# Altium PCB LimeSDR_1v2.PcbDoc (part 3 of 9) (continued)
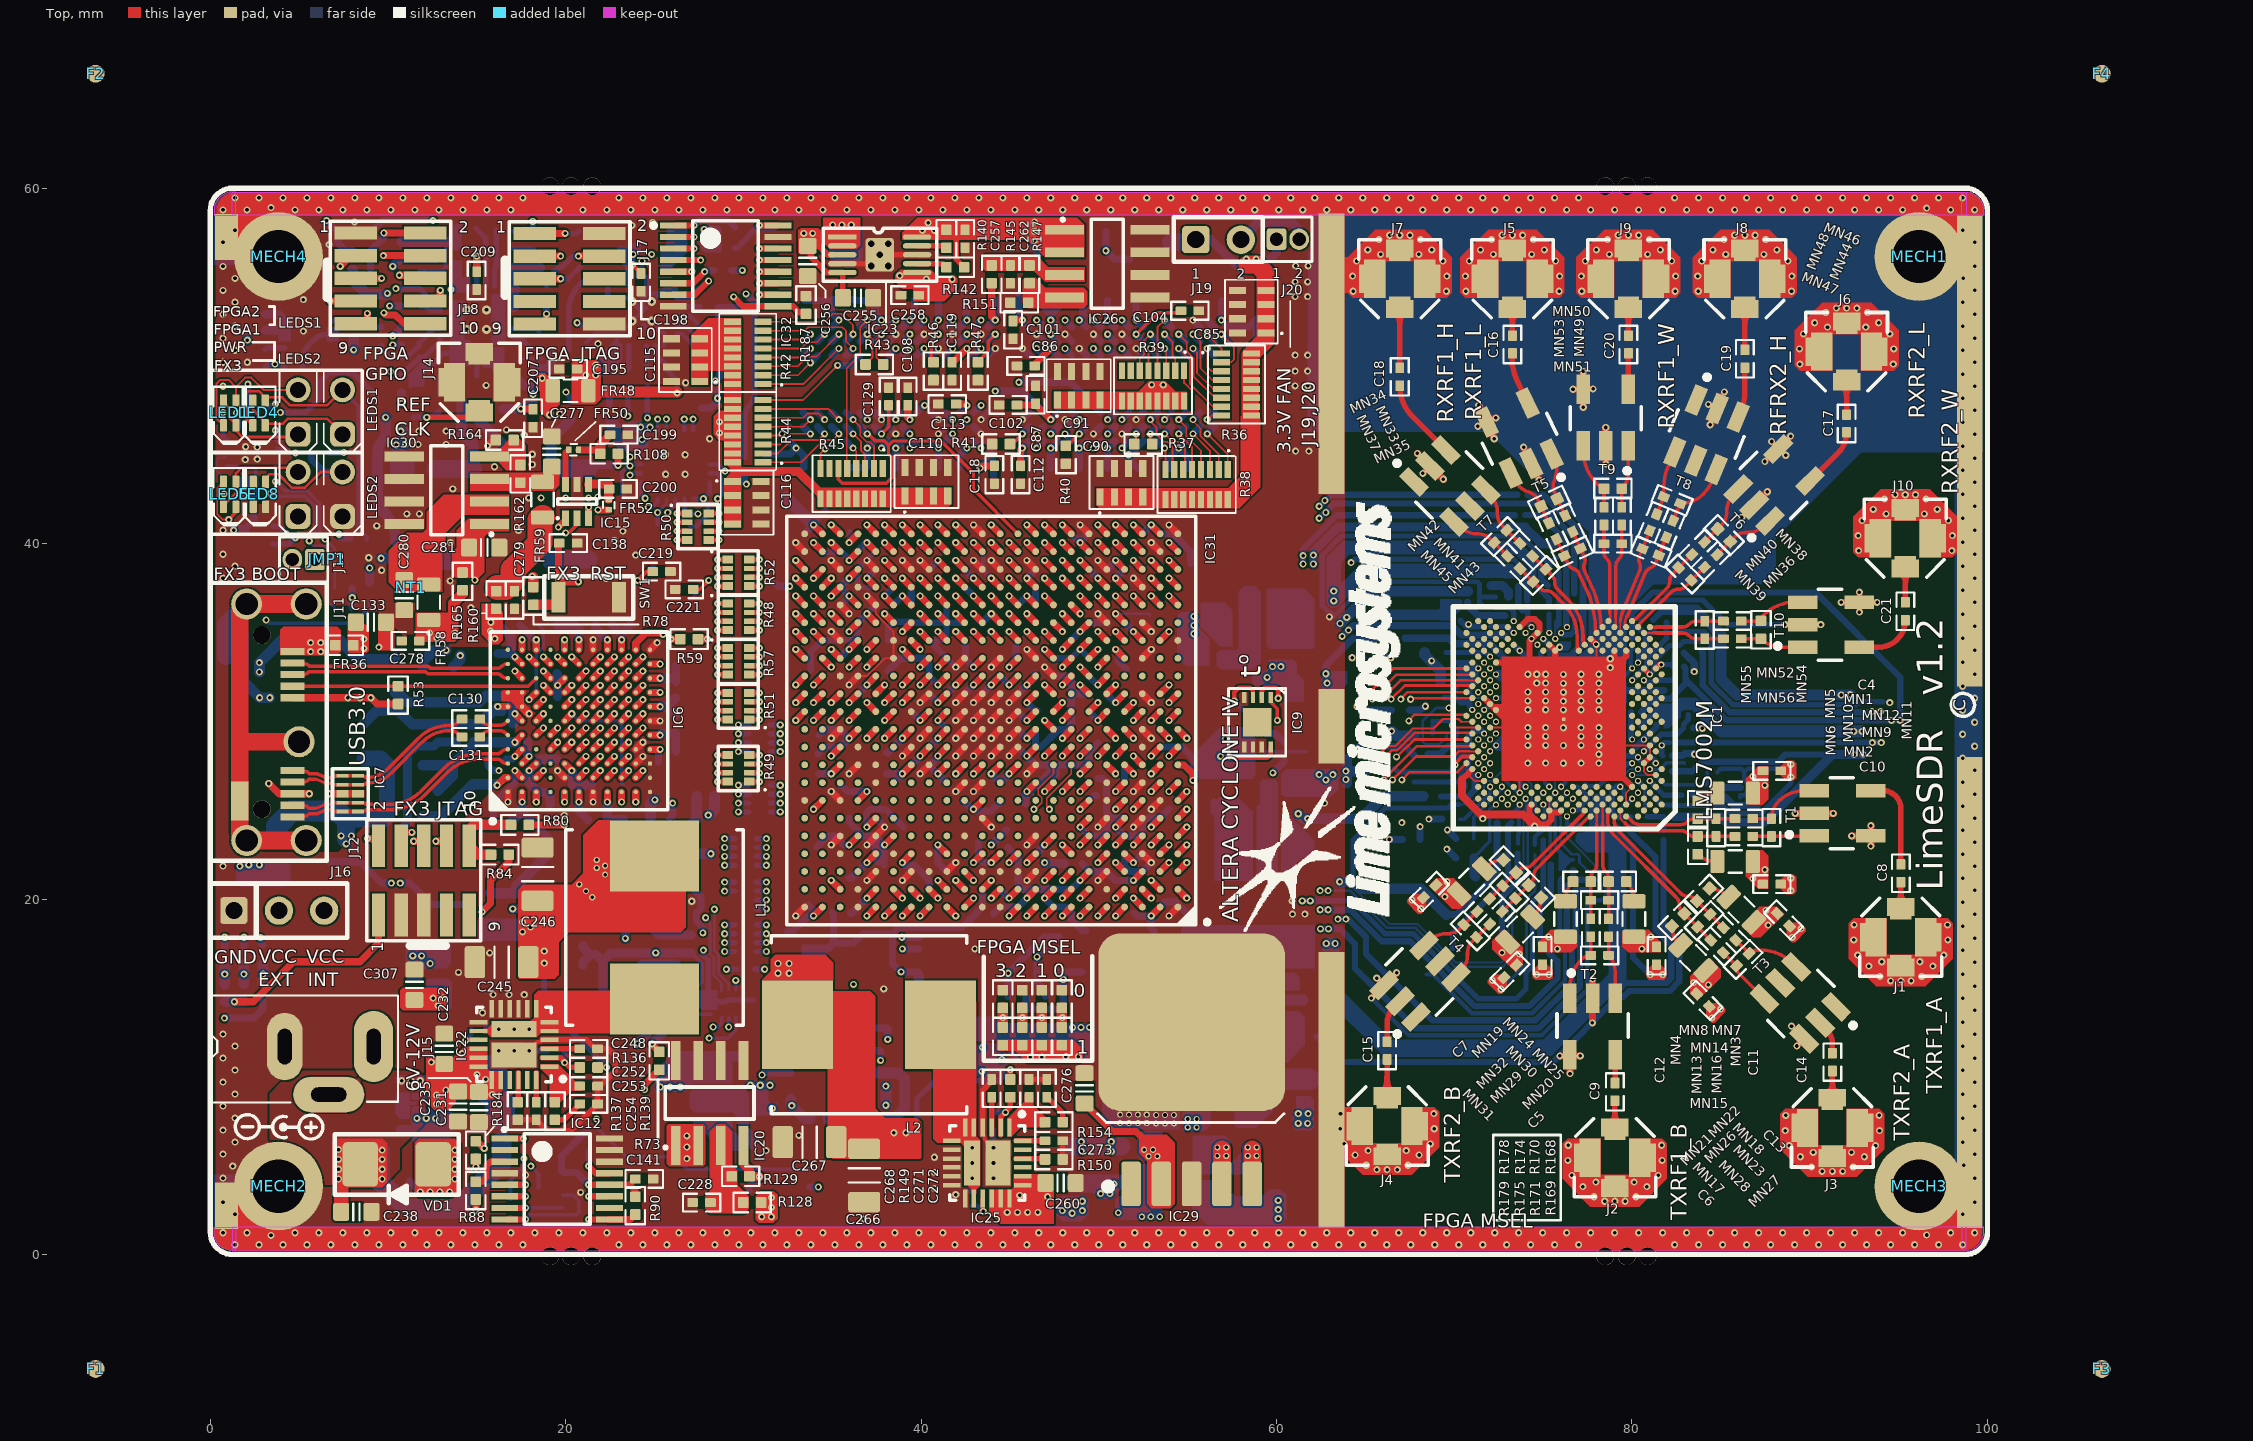
[diagram p0: Top view]
## Nets (pads, with @x,y where several pads share a name; then routed paths per layer and width w, separated by ;. In a path a pad name is that pad's centre, name@x,y a point inside that pad or via, vN(x,y) a via of type N, cw(c..) or ccw(c..) an arc to the next point about the centre after c; other vN are vias at no path point) (continued)
  L4 w0.1: v2(51.95,37.05) 52.375,37.475 54.092,37.475 58.75,42.133 58.75,52.266 57.491,53.525 55.134,53.525 54.45,52.841 54.45,52.503 54.072,52.125 53.555,52.125 53.35,51.92 53.35,51.325 v1(53.7,50.975)
  Bottom w0.4: v1(53.7,50.975) IC4.L3@54.1,50.575
DDR2_1_BA2: IC4.L1 IC31.V1 R39.4 | length 28
  Top w0.1: R39.4@53.3,49.725 53.3,52.175 v1(53.7,52.575)
  Top w0.4: v2(53.95,37.05) IC31.V1@54.45,36.55
  L4 w0.1: v1(53.7,52.575) 54.85,53.725 57.574,53.725 58.95,52.349 58.95,42.05 v2(53.95,37.05)
  Bottom w0.4: v1(53.7,52.575) IC4.L1@54.1,52.175
DDR2_1_CASN: IC4.L7 IC31.T4 R39.1 | length 19.1
  Top w0.1: v1(53.7,46.975) 54.05,47.325 55.1,47.325 55.25,47.475 55.25,48.592 54.8,49.042 R39.1@54.8,49.725
  Top w0.4: v2(50.95,35.05) IC31.T4@51.45,34.55
  L9 w0.1: v2(50.95,35.05) 51.445,35.05 53.4,37.005 53.4,44.867 53.1,45.167 53.1,45.85 53.25,46 53.25,46.525 v1(53.7,46.975)
  Bottom w0.4: v1(53.7,46.975) IC4.L7@54.1,47.375
DDR2_1_CKE: IC4.K2 IC31.R7 R39.6 | length 29.2
  Top w0.1: R39.6@52.3,49.725 52.3,50.4 52.55,50.65 52.55,51.425 v1(52.9,51.775)
  Top w0.4: v2(47.95,33.05) IC31.R7@48.45,33.55
  L9 w0.1: v2(47.95,33.05) 48.3,32.7 49.1,32.7 49.85,33.45 52.845,33.45 54.85,35.455 54.85,48.53 52.55,50.83 52.55,51.325 52.9,51.675 v1(52.9,51.775)
  Bottom w0.4: v1(52.9,51.775) IC4.K2@53.3,51.375
DDR2_1_CLK_N: IC4.K8 IC31.U8 R37.2 | length 16.9
  Top w0.1: v1(52.9,46.175) 52.9,45.725 R37.2@53.025,45.6
  Top w0.4: IC31.U8@47.45,35.55 v2(47.95,35.05)
  L9 w0.1: v2(47.95,35.05) 48.35,35.45 51.158,35.45 51.6,35.892 51.6,36.195 51.805,36.4 52.078,36.4 52.6,36.922 52.6,45.875 v1(52.9,46.175)
  Bottom w0.4: v1(52.9,46.175) IC4.K8@53.3,46.575
DDR2_1_CLK_P: IC4.J8 IC31.U7 R37.1 | length 16.5
  Top w0.1: R37.1@51.975,45.6 52.1,45.725 v1(52.1,46.175)
  Top w0.4: v2(47.95,36.05) IC31.U7@48.45,35.55
  L9 w0.1: v2(47.95,36.05) 48.35,35.65 51.075,35.65 51.4,35.975 51.4,36.278 51.722,36.6 51.995,36.6 52.4,37.005 52.4,45.875 v1(52.1,46.175)
  Bottom w0.4: v1(52.1,46.175) IC4.J8@52.5,46.575
DDR2_1_CSN: IC4.L8 IC31.R6 R38.6 | length 18.9
  Top w0.1: v1(53.7,46.175) 54.15,45.725 54.645,45.725 54.85,45.52 54.85,44.275 R38.6@54.75,44.175
  Top w0.4: IC31.R6@49.45,33.55 v2(49.95,34.05)
  L9 w0.1: v2(49.95,34.05) 50.4,34.5 51.895,34.5 53.6,36.205 53.6,44.95 53.3,45.25 53.3,45.767 53.7,46.167 v1(53.7,46.175)
  Bottom w0.4: v1(53.7,46.175) IC4.L8@54.1,46.575
DDR2_1_DM0: IC4.F3 IC31.AA7 | length 16.7
  Top w0.4: v2(47.95,40.05) IC31.AA7@48.45,39.55
  L9 w0.1: v2(47.95,40.05) 47.667,40.05 47.117,40.6 45.658,40.6 45.5,40.758 45.5,41.288 45.175,41.613 45.175,47.258 48.542,50.625 49.35,50.625 v1(49.7,50.975)
  Bottom w0.4: v1(49.7,50.975) IC4.F3@50.1,50.575
DDR2_1_DM1: IC4.B3 IC31.V5 | length 18.5
  Top w0.4: v2(49.95,37.05) IC31.V5@50.45,36.55
  L9 w0.1: v1(46.5,50.975) 44.975,49.45 44.975,41.53 45.3,41.205 45.3,40.675 45.575,40.4 46.105,40.4 49.455,37.05 v2(49.95,37.05)
  Bottom w0.4: v1(46.5,50.975) IC4.B3@46.9,50.575
DDR2_1_DQ0: IC4.G8 IC31.U10 | length 23.9
  Top w0.4: v2(44.95,36.05) IC31.U10@45.45,35.55
  L8 w0.1: v2(44.95,36.05) 45.525,36.625 49.02,36.625 50.575,38.18 50.575,43.642 49.267,44.95 48.825,44.95 48.55,45.225 48.55,47.575 48.916,47.941 48.916,48.766 49.25,49.1 49.925,49.1 50.15,48.875 50.15,46.525 v1(50.5,46.175)
  Bottom w0.4: v1(50.5,46.175) IC4.G8@50.9,46.575
DDR2_1_DQ1: IC4.G2 IC31.AB8 | length 23.8
  Top w0.4: v2(46.95,41.05) IC31.AB8@47.45,40.55
  L4 w0.1: v2(46.95,41.05) 46.95,41.375 ccw(c46.55,41.375) 46.55,41.775 45.95,41.775 cw(c45.95,42.175) 45.55,42.175 cw(c45.95,42.175) 45.95,42.575 46.95,42.575 47.95,42.575 ccw(c47.95,42.975) 48.35,42.975 ccw(c47.95,42.975) 47.95,43.375 46.95,43.375 cw(c46.95,43.609) 46.716,43.609 46.716,43.941 cw(c46.95,43.941) 46.95,44.175 47.95,44.175 ccw(c47.95,44.575) 48.35,44.575 ccw(c47.95,44.575) 47.95,44.975 46.95,44.975 46.45,44.975 cw(c46.45,45.375) 46.05,45.375 cw(c46.45,45.375) 46.45,45.775 46.95,45.775 47.35,45.775 ccw(c47.35,46.175) 47.75,46.175 ccw(c47.35,46.175) 47.35,46.575 cw(c47.35,46.975) 46.95,46.975 46.95,47.375 46.95,47.675 47.233,47.958 ; 47.212,47.937 47.233,47.958 ; v1(50.5,51.775) 50.15,51.425 49.625,51.425 49.25,51.05 49.25,49.975 47.233,47.958
  Bottom w0.4: v1(50.5,51.775) IC4.G2@50.9,51.375
DDR2_1_DQ2: IC4.H7 IC31.AB7 | length 23.6
  Top w0.4: v2(47.95,41.05) IC31.AB7@48.45,40.55
  L9 w0.1: v2(47.95,41.05) 48.4,40.6 49.995,40.6 50.3,40.905 50.3,41.225 ccw(c49.9,41.225) 49.9,41.625 49.088,41.625 cw(c49.088,42.025) 48.688,42.025 cw(c49.088,42.025) 49.088,42.425 50.3,42.425 51,42.425 ccw(c51,42.825) 51.4,42.825 ccw(c51,42.825) 51,43.225 50.3,43.225 48.73,43.225 cw(c48.73,43.625) 48.33,43.625 cw(c48.73,43.625) 48.73,44.025 49.9,44.025 ccw(c49.9,44.425) 50.3,44.425 50.3,44.825 50.3,44.975 50.3,45 50.05,45.25 50.05,48.925 50.475,49.35 50.825,49.35 51.3,48.875 v1(51.3,46.975)
  Bottom w0.4: v1(51.3,46.975) IC4.H7@51.7,47.375
DDR2_1_DQ3: IC4.H3 IC31.AA9 | length 23.8
  Top w0.4: v2(45.95,40.05) IC31.AA9@46.45,39.55
  L4 w0.1: v2(45.95,40.05) 46.3,40.4 46.3,41.195 46.095,41.4 45.675,41.4 45.1,41.975 45.1,42.475 45.459,42.834 46.149,42.834 46.516,43.201 46.516,43.7 46.15,44.066 45.834,44.066 45.35,44.55 45.35,47.217 45.541,47.409 46.282,47.409 46.8,47.927 46.8,48.075 46.8,48.175 46.8,48.575 cw(c47.2,48.575) 47.2,48.975 ccw(c47.2,49.375) 47.6,49.375 ccw(c47.2,49.375) 47.2,49.775 cw(c47.2,50.175) 46.8,50.175 46.8,50.4 47.025,50.625 48.3,50.625 48.55,50.875 48.55,51.92 48.855,52.225 51.5,52.225 51.75,51.975 51.75,51.325 51.4,50.975 v1(51.3,50.975)
  Bottom w0.4: v1(51.3,50.975) IC4.H3@51.7,50.575
DDR2_1_DQ4: IC4.H1 IC31.V11 | length 23.7
  Top w0.4: v2(43.95,37.05) IC31.V11@44.45,36.55
  L4 w0.1: v2(43.95,37.05) 43.95,37.525 44.3,37.875 44.3,45.005 44.525,45.23 44.525,51.895 45.555,52.925 50.95,52.925 v1(51.3,52.575)
  Bottom w0.4: v1(51.3,52.575) IC4.H1@51.7,52.175
DDR2_1_DQ5: IC4.H9 IC31.W10 | length 23.5
  Top w0.4: v2(44.95,38.05) IC31.W10@45.45,37.55
  L4 w0.1: v2(44.95,38.05) 44.95,37.959 44.5,37.509 44.5,36.775 44.875,36.4 46.095,36.4 46.645,35.85 47.255,35.85 48.3,36.895 48.3,42 50.05,43.75 50.05,45.442 50.433,45.825 50.645,45.825 50.85,46.03 50.85,48 51.1,48.25 51.475,48.25 51.75,47.975 51.75,45.825 v1(51.3,45.375)
  Bottom w0.4: v1(51.3,45.375) IC4.H9@51.7,45.775
DDR2_1_DQ6: IC4.F1 IC31.AA8 | length 23.9
  Top w0.4: v2(46.95,40.05) IC31.AA8@47.45,39.55
  L8 w0.1: v2(46.95,40.05) 46.95,39.65 46.725,39.425 44.8,39.425 44.6,39.625 44.6,53.275 44.925,53.6 49.35,53.6 49.7,53.25 v1(49.7,52.575)
  Bottom w0.4: v1(49.7,52.575) IC4.F1@50.1,52.175
DDR2_1_DQ7: IC4.F9 IC31.Y10 | length 23.6
  Top w0.4: v2(44.95,39.05) IC31.Y10@45.45,38.55
  L4 w0.1: v2(44.95,39.05) 45.35,38.65 45.35,36.925 45.675,36.6 46.995,36.6 47.525,37.13 47.525,41.6 48.875,42.95 48.875,44.7 48.5,45.075 48.5,48.75 48.675,48.925 49.825,48.925 50.05,48.7 50.05,45.725 v1(49.7,45.375)
  Bottom w0.4: v1(49.7,45.375) IC4.F9@50.1,45.775
DDR2_1_DQ8: IC4.C8 IC31.W6 | length 23.7
  Top w0.4: v2(48.95,38.05) IC31.W6@49.45,37.55
  L8 w0.1: v1(47.3,46.175) 46.95,46.525 46.95,48.05 46.425,48.575 46.425,49.265 46.675,49.515 46.675,50 46.375,50.3 45.8,50.3 45.55,50.05 45.55,49.575 45.85,49.275 45.85,48.525 45.35,48.025 45.35,45.35 45.35,45.274 ccw(c45.674,45.274) 45.674,44.95 cw(c45.674,44.55) 46.074,44.55 cw(c45.674,44.55) 45.674,44.15 45.35,44.15 ccw(c45.35,43.8) 45,43.8 45,43.7 ccw(c45.35,43.7) 45.35,43.35 45.674,43.35 cw(c45.674,42.95) 46.074,42.95 cw(c45.674,42.95) 45.674,42.55 ccw(c45.674,42.226) 45.35,42.226 45.35,42.155 45.35,41.933 45.883,41.4 46.105,41.4 47.325,40.18 47.325,38.88 47.805,38.4 48.6,38.4 v2(48.95,38.05)
  Bottom w0.4: v1(47.3,46.175) IC4.C8@47.7,46.575
DDR2_1_DQ9: IC4.C2 IC31.AA5 | length 24
  Top w0.4: v2(49.95,40.05) IC31.AA5@50.45,39.55
  L8 w0.1: v1(47.3,51.775) 47.7,51.375 47.7,50.675 ccw(c48.1,50.675) 48.1,50.275 48.3,50.275 cw(c48.3,49.875) 48.7,49.875 cw(c48.3,49.875) 48.3,49.475 47.7,49.475 47.1,49.475 ccw(c47.1,49.075) 46.7,49.075 ccw(c47.1,49.075) 47.1,48.675 47.7,48.675 48.3,48.675 cw(c48.3,48.275) 48.7,48.275 cw(c48.3,48.275) 48.3,47.875 48.1,47.875 ccw(c48.1,47.475) 47.7,47.475 47.7,47.075 47.7,46.8 47.7,45.28 47.325,44.905 47.325,44.675 cw(c46.925,44.675) 46.925,44.275 46.411,44.275 ccw(c46.411,43.875) 46.011,43.875 ccw(c46.411,43.875) 46.411,43.475 46.925,43.475 cw(c46.925,43.075) 47.325,43.075 cw(c46.925,43.075) 46.925,42.675 46.411,42.675 ccw(c46.411,42.275) 46.011,42.275 ccw(c46.411,42.275) 46.411,41.875 46.925,41.875 cw(c46.925,41.475) 47.325,41.475 47.325,40.9 47.825,40.4 49.6,40.4 v2(49.95,40.05)
  Bottom w0.4: v1(47.3,51.775) IC4.C2@47.7,51.375
DDR2_1_DQ10: IC4.D7 IC31.W7 | length 23.7
  Top w0.4: v2(47.95,38.05) IC31.W7@48.45,37.55
  L8 w0.1: v2(47.95,38.05) 47.3,37.4 45.805,37.4 44.6,36.195 44.6,35.905 45.105,35.4 45.875,35.4 46.875,36.4 48.875,36.4 49.795,36.4 51.3,37.905 51.3,38.025 51.3,43.2 49.3,45.2 49.3,46.575 v1(48.9,46.975)
  Bottom w0.4: IC4.D7@48.5,47.375 v1(48.9,46.975)
DDR2_1_DQ11: IC4.D3 IC31.V8 | length 23.9
  Top w0.4: v2(46.95,37.05) IC31.V8@47.45,36.55
  L4 w0.1: v2(46.95,37.05) 47.325,37.425 47.325,38.17 45.5,39.995 45.5,41.283 44.9,41.883 44.9,42.25 44.9,42.65 cw(c45.3,42.65) 45.3,43.05 45.9,43.05 ccw(c45.9,43.45) 46.3,43.45 ccw(c45.9,43.45) 45.9,43.85 45.3,43.85 cw(c45.3,44.25) 44.9,44.25 44.9,44.757 45.15,45.007 45.15,47.3 45.459,47.609 46.199,47.609 46.566,47.976 46.566,50.134 46.259,50.441 45.584,50.441 45.275,50.75 45.275,51.084 45.566,51.375 47.95,51.375 48.1,51.225 v1(48.1,50.975)
  Bottom w0.4: v1(48.1,50.975) IC4.D3@48.5,50.575
DDR2_1_DQ12: IC4.D1 IC31.W8 | length 23.6
  Top w0.4: v2(46.95,38.05) IC31.W8@47.45,37.55
  L4 w0.1: v2(46.95,38.05) 46.455,38.05 45.3,39.205 45.3,39.912 45.3,41.2 44.7,41.8 44.7,44.839 44.95,45.089 44.95,46.625 44.95,47.025 44.95,47.425 cw(c45.35,47.425) 45.35,47.825 45.95,47.825 ccw(c45.95,48.225) 46.35,48.225 ccw(c45.95,48.225) 45.95,48.625 45.35,48.625 cw(c45.35,49.025) 44.95,49.025 cw(c45.35,49.025) 45.35,49.425 45.95,49.425 ccw(c45.95,49.825) 46.35,49.825 ccw(c45.95,49.825) 45.95,50.225 45.35,50.225 cw(c45.35,50.625) 44.95,50.625 44.95,51.025 44.95,51.042 46.033,52.125 47.65,52.125 v1(48.1,52.575)
  Bottom w0.4: v1(48.1,52.575) IC4.D1@48.5,52.175
DDR2_1_DQ13: IC4.D9 IC31.Y7 | length 23.8
  Top w0.4: v2(47.95,39.05) IC31.Y7@48.45,38.55
  L8 w0.1: v2(47.95,39.05) 48.525,39.625 49.1,39.625 49.3,39.425 49.3,38.6 49.5,38.4 50.2,38.4 50.375,38.575 50.375,40.375 50.15,40.6 48.65,40.6 48.325,40.925 48.325,41.15 cw(c48.725,41.15) 48.725,41.55 49.975,41.55 ccw(c49.975,41.95) 50.375,41.95 ccw(c49.975,41.95) 49.975,42.35 48.325,42.35 47.925,42.35 cw(c47.925,42.75) 47.525,42.75 cw(c47.925,42.75) 47.925,43.15 48.325,43.15 49.819,43.15 ccw(c49.819,43.55) 50.219,43.55 ccw(c49.819,43.55) 49.819,43.95 48.325,43.95 47.925,43.95 cw(c47.925,44.35) 47.525,44.35 cw(c47.925,44.35) 47.925,44.75 ccw(c47.925,45.15) 48.325,45.15 48.325,45.55 48.325,45.95 v1(48.1,46.175)
  Bottom w0.4: v1(48.1,46.175) IC4.D9@48.5,45.775
DDR2_1_DQ14: IC4.B1 IC31.U9 | length 24
  Top w0.4: v2(45.95,36.05) IC31.U9@46.45,35.55
  L4 w0.1: v2(45.95,36.05) 45.6,35.7 44.805,35.7 42.805,35.7 42.6,35.905 42.6,36.4 42.9,36.7 44.1,36.7 44.3,36.9 44.3,37.592 44.5,37.792 44.5,44.922 44.75,45.172 44.75,51.125 46.2,52.575 v1(46.5,52.575)
  Bottom w0.4: v1(46.5,52.575) IC4.B1@46.9,52.175
DDR2_1_DQ15: IC4.B9 IC31.AA4 | length 23.9
  Top w0.4: v2(50.95,40.05) IC31.AA4@51.45,39.55
  L9 w0.1: v1(46.5,45.375) 46.1,45.775 46.1,47.9 46.275,48.075 47.425,48.075 47.65,47.85 47.65,45.175 47.35,44.875 47.35,44.575 47.35,44.3 cw(c46.95,44.3) 46.95,43.9 46.35,43.9 ccw(c46.35,43.5) 45.95,43.5 ccw(c46.35,43.5) 46.35,43.1 47.35,43.1 48.35,43.1 cw(c48.35,42.7) 48.75,42.7 cw(c48.35,42.7) 48.35,42.3 47.35,42.3 46.35,42.3 ccw(c46.35,41.9) 45.95,41.9 ccw(c46.35,41.9) 46.35,41.5 46.95,41.5 cw(c46.95,41.1) 47.35,41.1 47.35,40.65 47.6,40.4 50.6,40.4 v2(50.95,40.05)
  Bottom w0.4: v1(46.5,45.375) IC4.B9@46.9,45.775
DDR2_1_DQS0: IC4.F7 IC31.AB9 | length 14.7
  Top w0.4: v2(45.95,41.05) IC31.AB9@46.45,40.55
  L8 w0.1: v1(45.5,49.075) 44.8,48.375 44.8,42.2 v2(45.95,41.05)
  Bottom w0.4: v1@45.575,49.075 48.4,49.075 IC4.F7@50.1,47.375
DDR2_1_DQS0N: IC4.E8 R40.2 | length 1.6
  Top w0.2: R40.2@48.15,45.5 48.225,45.5 v1(48.9,46.175)
  Bottom w0.4: v1(48.9,46.175) IC4.E8@49.3,46.575
DDR2_1_DQS1: IC4.B7 IC31.V10 | length 15.8
  Top w0.4: v2(44.95,37.05) IC31.V10@45.45,36.55
  L8 w0.1: v1(44.175,48.575) 44.3,48.45 44.3,37.7 v2(44.95,37.05)
  Bottom w0.4: v1(44.175,48.575) 45.7,48.575 IC4.B7@46.9,47.375
DDR2_1_DQS1N: IC4.A8 R41.2 | length 1.5
  Top w0.2: R41.2@45,45.6 45.125,45.6 v1(45.7,46.175)
  Bottom w0.4: v1(45.7,46.175) IC4.A8@46.1,46.575
DDR2_1_ODT: IC4.K9 IC31.P6 R38.8 | length 18.7
  Top w0.1: v1(53.7,45.375) 53.75,45.325 R38.8@53.75,44.175
  Top w0.4: v2(48.95,33.05) IC31.P6@49.45,32.55
  L9 w0.1: v2(48.95,33.05) 49.6,33.7 52.095,33.7 54.3,35.905 54.3,44.775 v1(53.7,45.375)
  Bottom w0.4: IC4.K9@53.3,45.775 v1(53.7,45.375)
DDR2_1_RASN: IC4.K7 IC31.T5 R38.7 | length 24.7
  Top w0.1: v1(52.9,46.975) 52.9,46.875 53.25,46.525 53.25,46.13 53.655,45.725 53.845,45.725 54.15,45.42 54.15,44.275 R38.7@54.25,44.175
  Top w0.4: v2(49.95,35.05) IC31.T5@50.45,34.55
  L9 w0.1: v2(49.95,35.05) 49.445,35.05 49.095,34.7 47.805,34.7 47.6,34.905 47.6,36.195 47.905,36.5 50.925,36.5 51.6,37.175 51.6,44.475 50.95,45.125 50.95,46.32 51.175,46.545 51.175,46.575 52.5,46.575 v1(52.9,46.975)
  Bottom w0.4: v1(52.9,46.975) IC4.K7@53.3,47.375
DDR2_1_WEN: IC4.K3 IC31.T7 R39.5 | length 31.5
  Top w0.1: R39.5@52.8,49.725 52.8,50.875 v1(52.9,50.975)
  Top w0.4: v2(47.95,34.05) IC31.T7@48.45,34.55
  L8 w0.1: v2(47.95,34.05) 48.45,34.05 49.9,35.5 54.383,35.5 58.475,39.592 58.475,49.095 56.245,51.325 53.25,51.325 v1(52.9,50.975)
  Bottom w0.4: v1(52.9,50.975) IC4.K3@53.3,50.575
DDR2_2_A0: IC5.M8 IC31.U15 R42.3 | length 31
  Top w0.1: R42.3@31.1,49.975 33.058,49.975 33.608,50.525 34.125,50.525 v1(35.375,51.775)
  Top w0.4: v2(39.95,36.05) IC31.U15@40.45,35.55
  L4 w0.1: v1(35.375,51.775) 35,52.15 35,53.475 35.6,54.075 37.6,54.075 38.225,53.45 38.225,50.6 37.4,49.775 37.4,41.095 40.3,38.195 40.3,36.4 v2(39.95,36.05)
  Bottom w0.4: IC5.M8@34.975,51.375 v1(35.375,51.775)
DDR2_2_A1: IC5.M3 IC31.AA17 R44.7 | length 30.2
  Top w0.1: R44.7@31.1,47.575 34.775,47.575 v1(35.375,46.975)
  Top w0.4: v2(37.95,40.05) IC31.AA17@38.45,39.55
  L9 w0.1: v1(35.375,46.975) 35.125,46.975 34.15,47.95 34.15,49.275 33.425,50 33.425,51.12 33.73,51.425 36.725,51.425 39.825,48.325 39.846,45.775 39.846,45.351 39.35,44.855 39.35,44.5 39.35,44.15 ccw(c39.55,44.15) 39.55,43.95 cw(c39.55,43.55) 39.95,43.55 cw(c39.55,43.55) 39.55,43.15 39.35,43.15 39.264,43.15 ccw(c39.264,42.75) 38.864,42.75 ccw(c39.264,42.75) 39.264,42.35 39.35,42.35 39.507,42.35 cw(c39.507,41.95) 39.907,41.95 cw(c39.507,41.95) 39.507,41.55 ccw(c39.507,41.393) 39.35,41.393 39.35,41.15 39.35,40.955 38.445,40.05 v2(37.95,40.05)
  Bottom w0.4: IC5.M3@34.975,47.375 v1(35.375,46.975)
DDR2_2_A2: IC5.M7 IC31.T14 R42.1 | length 30.9
  Top w0.1: R42.1@31.1,48.975 33.375,48.975 v1(35.375,50.975)
  Top w0.4: v2(40.95,35.05) IC31.T14@41.45,34.55
  L4 w0.1: v1(35.375,50.975) 35.725,51.325 35.725,52.95 36.125,53.35 37.075,53.35 37.425,53 37.425,50.083 36.6,49.258 36.6,40.905 39.55,37.955 39.55,35.955 40.455,35.05 v2(40.95,35.05)
  Bottom w0.4: IC5.M7@34.975,50.575 v1(35.375,50.975)
DDR2_2_A3: IC5.N2 IC31.Y17 R44.2 | length 29.9
  Top w0.1: R44.2@31.1,45.075 31.95,45.075 32.7,45.825 34.225,45.825 v1(34.575,46.175)
  Top w0.4: v2(37.95,39.05) IC31.Y17@38.45,38.55
  L9 w0.1: v1(34.575,46.175) 35,45.75 36.245,45.75 36.525,46.03 36.525,47.12 36.12,47.525 35.141,47.525 34.55,48.116 34.55,50.15 34.825,50.425 37.159,50.425 38.025,49.559 38.025,47.75 37.425,47.15 37.425,46.9 37.425,46.83 37.63,46.625 37.845,46.625 38.125,46.345 38.125,45.23 37.425,44.53 37.425,43.65 37.225,43.45 36.8,43.45 36.1,42.75 36.1,41.4 37.95,39.55 v2(37.95,39.05)
  Bottom w0.4: IC5.N2@34.175,46.575 v1(34.575,46.175)
DDR2_2_A4: IC5.N8 IC31.T16 R42.5 | length 31
  Top w0.1: R42.5@31.1,50.975 33.258,50.975 33.608,51.325 34.125,51.325 v1(34.575,51.775)
  Top w0.4: IC31.T16@39.45,34.55 v2(39.95,34.05)
  L4 w0.1: v1(34.575,51.775) 34.975,51.375 34.975,50.825 35.187,50.613 35.563,50.613 35.725,50.775 35.725,51.02 36.055,51.35 36.55,51.35 36.85,51.05 36.85,49.791 36.4,49.341 36.4,47.695 35.825,47.12 35.825,46.13 35.6,45.905 35.6,44.425 35.6,44.325 ccw(c36,44.325) 36,43.925 cw(c36,43.525) 36.4,43.525 cw(c36,43.525) 36,43.125 35.6,43.125 35.565,43.125 ccw(c35.565,42.725) 35.165,42.725 ccw(c35.565,42.725) 35.565,42.325 35.6,42.325 36,42.325 cw(c36,41.925) 36.4,41.925 cw(c36,41.925) 36,41.525 ccw(c36,41.125) 35.6,41.125 35.6,40.905 39.3,37.205 39.3,34.25 39.5,34.05 v2(39.95,34.05)
  Bottom w0.4: IC5.N8@34.175,51.375 v1(34.575,51.775)
DDR2_2_A5: IC5.N3 IC31.P7 R44.6 | length 30.3
  Top w0.1: R44.6@31.1,47.075 33.38,47.075 33.63,47.325 34.225,47.325 v1(34.575,46.975)
  Top w0.4: v2(47.95,32.05) IC31.P7@48.45,32.55
  L9 w0.1: v1(34.575,46.975) 34.225,46.625 34.225,42.9 35.55,41.575 35.55,39.955 37.5,38.005 37.5,35.825 38.1,35.225 38.1,34.05 39.725,32.425 47.575,32.425 v2(47.95,32.05)
  Bottom w0.4: IC5.N3@34.175,47.375 v1(34.575,46.975)
DDR2_2_A6: IC5.N7 IC31.U17 R42.2 | length 30.8
  Top w0.1: R42.2@31.1,49.475 33.075,49.475 v1(33.775,50.175)
  Top w0.4: v2(37.95,36.05) IC31.U17@38.45,35.55
  L4 w0.1: v1(33.775,50.175) 33.575,50.375 33.433,50.375 33.333,50.275 33.333,50.008 33.333,49.625 cw(c32.933,49.625) 32.933,49.225 31.15,49.225 ccw(c31.15,48.825) 30.75,48.825 ccw(c31.15,48.825) 31.15,48.425 33.333,48.425 33.907,48.425 cw(c33.907,48.025) 34.307,48.025 cw(c33.907,48.025) 33.907,47.625 33.333,47.625 32.623,47.625 ccw(c32.623,47.225) 32.223,47.225 ccw(c32.623,47.225) 32.623,46.825 32.933,46.825 cw(c32.933,46.425) 33.333,46.425 33.333,45.725 ccw(c33.733,45.725) 33.733,45.325 33.75,45.325 cw(c33.75,44.925) 34.15,44.925 cw(c33.75,44.925) 33.75,44.525 33.333,44.525 33.2,44.525 ccw(c33.2,44.125) 32.8,44.125 ccw(c33.2,44.125) 33.2,43.725 cw(c33.2,43.591) 33.333,43.591 33.333,43.25 33.333,41.162 38.1,36.395 38.1,36.2 v2(37.95,36.05)
  Bottom w0.4: v1(33.775,50.175) IC5.N7@34.175,50.575
DDR2_2_A7: IC5.P2 IC31.N8 R44.3 | length 30
  Top w0.1: R44.3@31.1,45.575 32.07,45.575 32.67,46.175 v1(33.775,46.175)
  Top w0.4: v1(46.95,32.05) IC31.N8@47.45,31.55
  L9 w0.1: v1(33.775,46.175) 33,46.175 32.45,45.625 32.45,44.325 35.3,41.475 35.3,39.205 37.3,37.205 37.3,35.742 37.9,35.142 37.9,33.605 39.805,31.7 46.6,31.7 v1(46.95,32.05)
  Bottom w0.4: IC5.P2@33.375,46.575 v1(33.775,46.175)
DDR2_2_A8: IC5.P8 IC31.R16 R42.6 | length 31
  Top w0.1: R42.6@31.1,51.475 33.475,51.475 v1(33.775,51.775)
  Top w0.4: v2(38.95,34.05) IC31.R16@39.45,33.55
  L4 w0.1: v1(33.775,51.775) 33.775,52.725 33,53.5 31.4,53.5 30.55,52.65 30.55,48.45 32.6,46.4 32.6,40.895 38.95,34.545 v2(38.95,34.05)
  Bottom w0.4: IC5.P8@33.375,51.375 v1(33.775,51.775)
DDR2_2_A9: IC5.P3 IC31.AA20 R44.5 | length 30.2
  Top w0.1: R44.5@31.1,46.575 33.375,46.575 v1(33.775,46.975)
  Top w0.4: v2(34.95,40.05) IC31.AA20@35.45,39.55
  L9 w0.1: v1(33.775,46.975) 33.775,48.125 33.6,48.3 30.625,48.3 30.325,48 30.325,45.15 30.325,44.95 cw(c29.925,44.95) 29.925,44.55 29.725,44.55 ccw(c29.725,44.15) 29.325,44.15 ccw(c29.725,44.15) 29.725,43.75 30.325,43.75 30.925,43.75 cw(c30.925,43.35) 31.325,43.35 cw(c30.925,43.35) 30.925,42.95 30.325,42.95 29.725,42.95 ccw(c29.725,42.55) 29.325,42.55 ccw(c29.725,42.55) 29.725,42.15 30.325,42.15 30.925,42.15 cw(c30.925,41.75) 31.325,41.75 cw(c30.925,41.75) 30.925,41.35 30.325,41.35 29.725,41.35 ccw(c29.725,40.95) 29.325,40.95 ccw(c29.725,40.95) 29.725,40.55 29.925,40.55 cw(c29.925,40.15) 30.325,40.15 30.325,39.6 30.475,39.45 34.35,39.45 v2(34.95,40.05)
  Bottom w0.4: IC5.P3@33.375,47.375 v1(33.775,46.975)
DDR2_2_A10: IC5.M2 IC31.AB17 R44.1 | length 29.9
  Top w0.1: R44.1@31.1,44.575 33.258,44.575 34.508,45.825 35.025,45.825 v1(35.375,46.175)
  Top w0.4: v2(37.95,41.05) IC31.AB17@38.45,40.55
  L9 w0.1: v1(35.375,46.175) 35.725,46.525 35.725,47.125 35.525,47.325 35.058,47.325 34.35,48.033 34.35,50.4 34.575,50.625 37.242,50.625 38.225,49.642 38.225,46.83 38.43,46.625 38.8,46.625 39.025,46.4 39.025,45.225 38.825,45.025 38.27,45.025 37.95,44.705 37.95,44.1 ccw(c38.2,44.1) 38.2,43.85 38.55,43.85 cw(c38.55,43.45) 38.95,43.45 cw(c38.55,43.45) 38.55,43.05 37.95,43.05 37.35,43.05 ccw(c37.35,42.65) 36.95,42.65 ccw(c37.35,42.65) 37.35,42.25 37.95,42.25 38.286,42.25 cw(c38.286,41.85) 38.686,41.85 cw(c38.286,41.85) 38.286,41.45 ccw(c38.286,41.114) 37.95,41.114 v2(37.95,41.05)
  Bottom w0.4: IC5.M2@34.975,46.575 v1(35.375,46.175)
DDR2_2_A11: IC5.P7 IC31.U16 R42.4 | length 30.9
  Top w0.1: R42.4@31.1,50.475 33.275,50.475 v1(33.775,50.975)
  Top w0.4: v2(38.95,35.05) IC31.U16@39.45,35.55
  L4 w0.1: v1(33.775,50.975) 33.975,51.175 34.342,51.175 34.95,50.567 34.95,50.325 34.95,50.075 cw(c34.55,50.075) 34.55,49.675 33.95,49.675 ccw(c33.95,49.275) 33.55,49.275 ccw(c33.95,49.275) 33.95,48.875 34.95,48.875 35.8,48.875 cw(c35.8,48.475) 36.2,48.475 cw(c35.8,48.475) 35.8,48.075 34.95,48.075 34.844,48.075 ccw(c34.844,47.675) 34.444,47.675 ccw(c34.844,47.675) 34.844,47.275 cw(c34.844,47.169) 34.95,47.169 34.95,46.875 34.95,44.975 cw(c34.725,44.975) 34.725,44.75 34.568,44.75 ccw(c34.568,44.35) 34.168,44.35 ccw(c34.568,44.35) 34.568,43.95 34.95,43.95 35,43.95 cw(c35,43.55) 35.4,43.55 cw(c35,43.55) 35,43.15 34.95,43.15 34.568,43.15 ccw(c34.568,42.75) 34.168,42.75 ccw(c34.568,42.75) 34.568,42.35 cw(c34.568,41.968) 34.95,41.968 34.95,41.95 34.95,41.545 34.6,41.195 34.6,40.895 38.35,37.145 38.35,35.65 v2(38.95,35.05)
  Bottom w0.4: IC5.P7@33.375,50.575 v1(33.775,50.975)
DDR2_2_A12: IC5.R2 IC31.U14 R44.4 | length 31
  Top w0.1: R44.4@31.1,46.075 32.075,46.075 v1(32.175,46.175)
  Top w0.4: v2(40.95,36.05) IC31.U14@41.45,35.55
  L4 w0.1: v1(32.175,46.175) 32.325,46.025 32.325,45.6 32.325,45.225 cw(c31.925,45.225) 31.925,44.825 30.725,44.825 ccw(c30.725,44.425) 30.325,44.425 ccw(c30.725,44.425) 30.725,44.025 31.925,44.025 cw(c31.925,43.625) 32.325,43.625 cw(c31.925,43.625) 31.925,43.225 30.725,43.225 ccw(c30.725,42.825) 30.325,42.825 ccw(c30.725,42.825) 30.725,42.425 31.925,42.425 cw(c31.925,42.025) 32.325,42.025 cw(c31.925,42.025) 31.925,41.625 31.623,41.625 ccw(c31.623,41.225) 31.223,41.225 ccw(c31.623,41.225) 31.623,40.825 31.925,40.825 cw(c31.925,40.425) 32.325,40.425 32.325,40.183 32.6,39.908 32.6,39.905 32.805,39.7 32.808,39.7 34.6,37.908 34.6,37.905 34.8,37.705 34.8,37.7 38.8,33.7 41.05,33.7 41.55,34.2 41.55,35.775 41.275,36.05 v2(40.95,36.05)
  Bottom w0.4: v1(32.175,46.175) IC5.R2@32.575,46.575
DDR2_2_BA0: IC5.L2 IC31.U13 R45.3 | length 22.3
  Top w0.1: v1(36.175,46.175) 36.625,45.725 36.625,45.23 36.85,45.005 R45.3@36.85,44.225
  Top w0.4: v2(41.95,36.05) IC31.U13@42.45,35.55
  L10 w0.1: v1(36.175,46.175) 36.175,45.95 34.3,44.075 34.3,36.195 34.895,35.6 41.005,35.6 41.455,36.05 v2(41.95,36.05)
  Bottom w0.4: IC5.L2@35.775,46.575 v1(36.175,46.175)
DDR2_2_BA1: IC5.L3 IC31.T13 R45.2 | length 25.5
  Top w0.1: v1(36.175,46.975) 36.575,46.575 36.575,46.08 36.93,45.725 37.12,45.725 37.35,45.495 R45.2@37.35,44.225
  Top w0.4: v2(41.95,35.05) IC31.T13@42.45,34.55
  L10 w0.1: v1(36.175,46.975) 36.175,46.875 35.825,46.525 35.825,45.883 33.6,43.658 33.6,35.905 34.105,35.4 41.105,35.4 41.455,35.05 v2(41.95,35.05)
  Bottom w0.4: IC5.L3@35.775,47.375 v1(36.175,46.975)
DDR2_2_BA2: IC5.L1 IC31.V2 R45.4 | length 33.4
  Top w0.1: v1(36.175,45.375) 36.35,45.2 R45.4@36.35,44.225
  Top w0.4: v2(52.95,37.05) IC31.V2@53.45,36.55
  L10 w0.1: v1(36.175,45.375) 34.5,43.7 34.5,36.925 35.025,36.4 42.095,36.4 42.6,35.895 42.6,34.905 42.805,34.7 52.095,34.7 52.95,35.555 v2(52.95,37.05)
  Bottom w0.4: IC5.L1@35.775,45.775 v1(36.175,45.375)
DDR2_2_CASN: IC5.L7 IC31.T10 R42.7 | length 26.8
  Top w0.1: R42.7@31.1,51.975 33.45,51.975 33.65,52.175 35.575,52.175 35.775,51.975 35.775,51.375 v1(36.175,50.975)
  Top w0.4: v2(44.95,35.05) IC31.T10@45.45,34.55
  L3 w0.1: v1(36.175,50.975) 39.975,47.175 39.975,45.52 44.3,41.195 44.3,35.7 v2(44.95,35.05)
  Bottom w0.4: IC5.L7@35.775,50.575 v1(36.175,50.975)
DDR2_2_CKE: IC5.K2 IC31.AB10 R45.6 | length 17.9
  Top w0.19: R45.6@35.35,44.225 35.35,43.625 35.575,43.4 38.05,43.4 38.4,43.75 38.4,44.8 38.17,45.03 38.17,45.539 ; 37.9,45.775 37.934,45.775 38.17,45.539 ; IC31.AB10@45.45,40.55 42.95,43.05 42.95,43.959 41.139,45.77 38.401,45.77 38.17,45.539
  Top w0.2: v1(36.975,46.175) 37.024,46.175 37.424,45.775 37.9,45.775
  Bottom w0.4: IC5.K2@36.575,46.575 v1(36.975,46.175)
DDR2_2_CLK_N: IC5.K8 IC31.R15 R43.2 | length 23.7
  Top w0.1: R43.2@36.875,50.075 37.275,50.475 37.275,51.475 v1(36.975,51.775)
  Top w0.4: v2(39.95,33.05) IC31.R15@40.45,33.55
  L9 w0.1: v1(36.975,51.775) 37.275,51.475 37.275,51.199 40.552,47.922 40.552,47.335 40.35,47.133 40.35,33.45 v2(39.95,33.05)
  Bottom w0.4: IC5.K8@36.575,51.375 v1(36.975,51.775)
DDR2_2_CLK_P: IC5.J8 IC31.R14 R43.1 | length 23.7
  Top w0.1: v1(37.775,51.775) 37.475,51.475 37.475,50.475 R43.1@37.875,50.075
  Top w0.4: v2(40.95,33.05) IC31.R14@41.45,33.55
  L9 w0.1: v1(37.775,51.775) 37.475,51.475 37.475,51.282 40.752,48.005 40.752,47.252 40.75,47.25 40.55,47.05 40.55,33.45 v2(40.95,33.05)
  Bottom w0.4: IC5.J8@37.375,51.375 v1(37.775,51.775)
DDR2_2_CSN: IC5.L8 IC31.Y8 R42.8 | length 24.8
  Top w0.1: R42.8@31.1,52.475 34.575,52.475 35.025,52.925 35.52,52.925 36.175,52.27 v1(36.175,51.775)
  Top w0.4: v2(46.95,39.05) IC31.Y8@47.45,38.55
  L3 w0.1: v1(36.175,51.775) 36.175,51.675 36.525,51.325 36.525,50.908 40.175,47.258 40.175,45.603 44.675,41.103 44.675,40.83 46.455,39.05 v2(46.95,39.05)
  Bottom w0.4: IC5.L8@35.775,51.375 v1(36.175,51.775)
DDR2_2_DM0: IC5.F3 IC31.AA16 | length 9.6
  Top w0.4: v2(38.95,40.05) IC31.AA16@39.45,39.55
  L9 w0.1: v2(38.95,40.05) 39.55,40.65 39.55,41.145 40.15,41.745 40.15,47.75 40.177,47.777 v1(40.202,47.777)
  Bottom w0.4: IC5.F3@39.775,47.375 40.177,47.777 v1(40.202,47.777)
DDR2_2_DM1: IC5.B3 IC31.AA10 | length 9.7
  Top w0.4: v2(44.95,40.05) IC31.AA10@45.45,39.55
  L9 w0.1: v1(43.375,47.775) 43.8,47.35 43.8,45.225 44.375,44.65 44.375,40.625 v2(44.95,40.05)
  Bottom w0.4: IC5.B3@42.975,47.375 v1(43.375,47.775)
DDR2_2_DQ0: IC5.G8 IC31.W15 | length 18.1
  Top w0.4: v2(39.95,38.05) IC31.W15@40.45,37.55
  L8 w0.1: v1(39.375,51.775) 39.725,51.425 39.725,50.725 39.025,50.025 39.025,46.775 38.775,46.525 38.43,46.525 38.225,46.32 38.225,45.208 38.6,44.833 38.6,37.725 38.8,37.525 39.425,37.525 v2(39.95,38.05)
  Bottom w0.4: IC5.G8@38.975,51.375 v1(39.375,51.775)